# Allegro board mini_trx_layout.brd (continued)
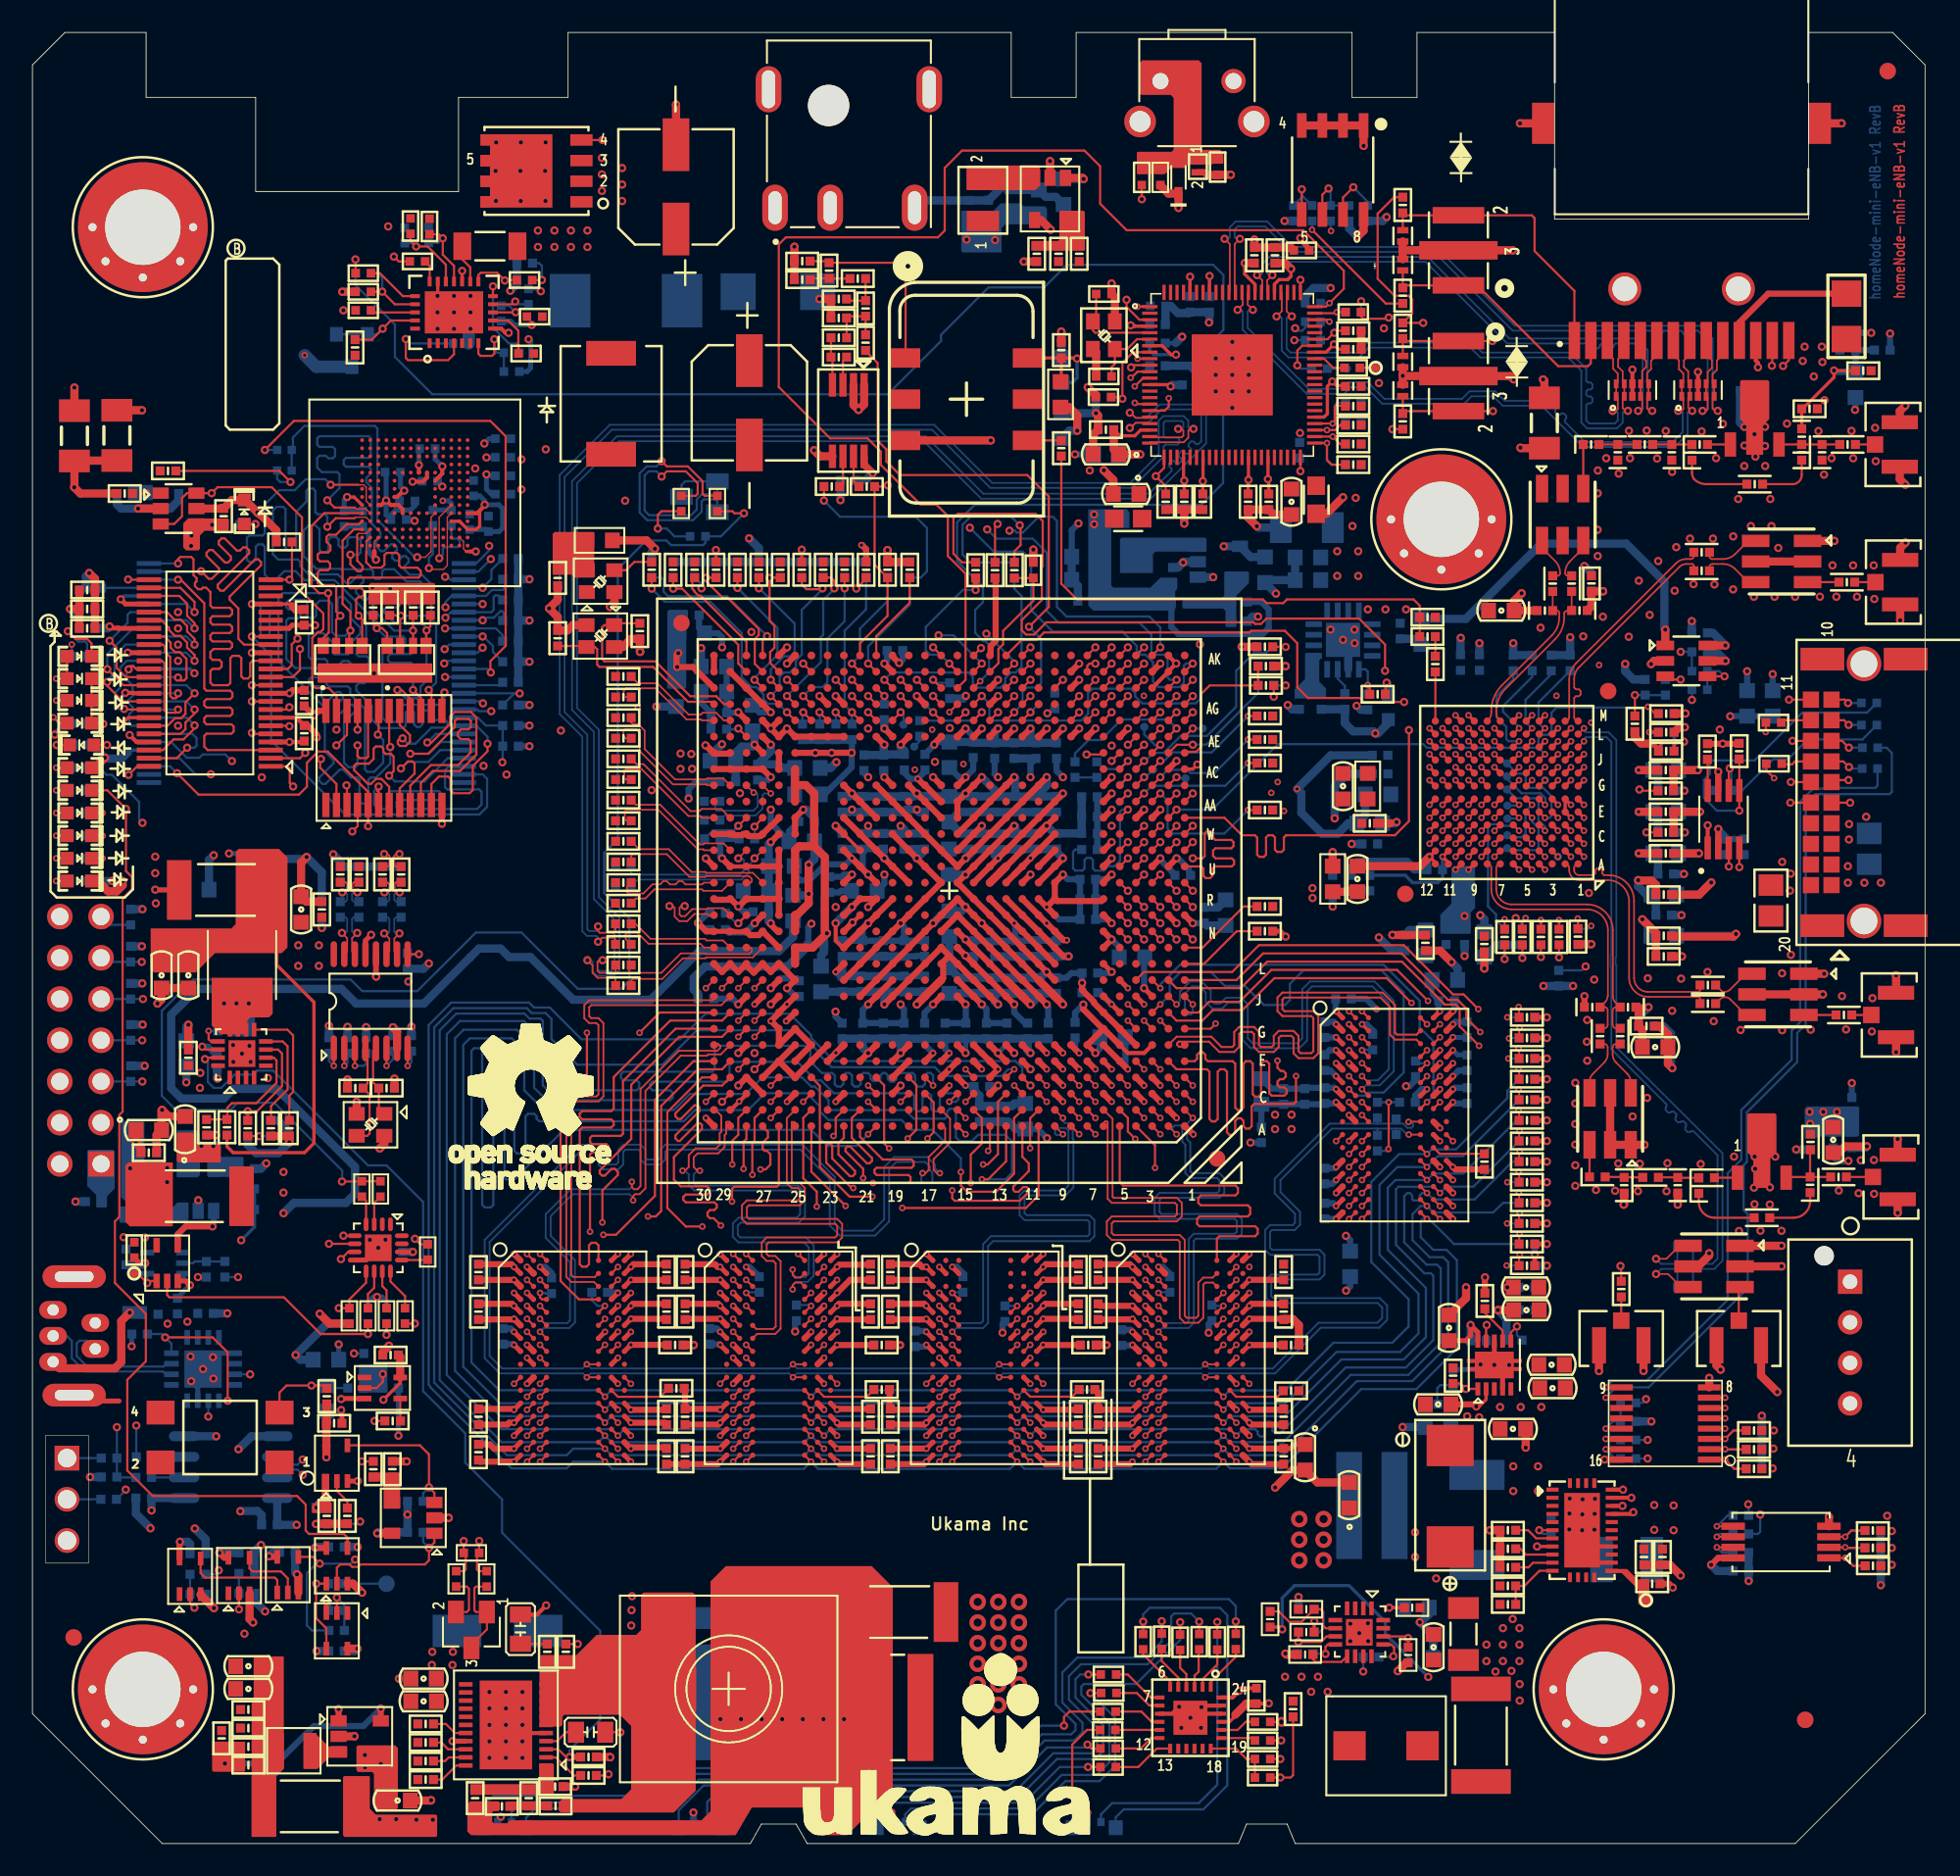
[diagram p0: board, top side]
## Routing (per net, layer and track width the routed paths; a pad name or vN(x,y) marks a point on that pad's centre or on a via; arc(x,y) is an arc through that point) (continued)
R1_LED/P3_LED1/ADDR[1]N: length 84.8
  TOP w0.137: v2(67.91,88.78) 67.99,88.7 U243.16
  L3-SIGNAL w0.127: v2(67.91,88.78) 67.53,88.78 67.15,88.4 66.39,88.4 65.86,88.93 63.93,88.93 62.02,90.84 17.79,90.84 16.97,90.01 15.19,90.01 6.99,81.82 6.4,81.82 2.56,77.98 2.56,77.35 3.04,76.86 3.04,75.78 3.04,75.77 3.04,70 v1(1.37,68.33)
  BOTTOM w0.137: v1(1.37,68.33) 1.37,68.48 1.9,69.02 R587.2
RED1: length 58.6
  TOP w0.137: R580.1 v1(74.14,13.69)
  BOTTOM w0.137: LED11.3 29.51,1.93 30.12,2.54 39.07,2.54 40.82,4.29 59.74,4.29 62.18,6.73 64,6.73 64.26,7 64.26,7.37 63.04,8.59 63.04,14.35 63.75,15.06 73.71,15.06 74.14,14.64 v1(74.14,13.69)
RED2: length 19.2
  TOP w0.137: R581.1 v1(72.99,13.66)
  BOTTOM w0.137: LED12.3 65.83,1.8 66.52,2.49 71.86,2.49 72.99,3.63 v1(72.99,13.66)
RED3: length 43.2
  TOP w0.137: R577.1 v1(71.88,13.68)
  BOTTOM w0.137: v1(71.88,13.68) 71.39,14.17 70.33,14.17 70.15,14 70.15,12.5 68.71,11.05 64.59,11.05 63.86,10.31 63.86,8.86 65.58,7.14 65.58,5.87 65.28,5.56 62.89,5.56 60.55,3.23 42.24,3.23 41.57,2.56 LED13.3
RED4: length 28.9
  TOP w0.137: R578.1 v1(70.71,13.64)
  BOTTOM w0.137: LED14.3 53.76,1.8 54.13,2.16 61.34,2.16 63.41,4.23 65.57,4.23 66.34,5 66.34,7.44 64.62,9.17 64.62,9.67 64.78,9.83 68,9.83 70.71,12.54 v1(70.71,13.64)
RF_1V8: length 27.7
  TOP w0.508: U25.1 v1(100.6,74.8)
  BOTTOM w0.203: C421.1 85.21,75.47
  BOTTOM w0.508: v1(80.23,63.17) 80.23,65.13 81.02,65.92 L28.1 ; C421.1 88.31,75.47 92.95,80.1 98.19,80.1 100.54,77.75 100.54,74.86 v1(100.6,74.8) 100.6,73.84 C112.1
  vias: v1(82.27,76.05) v1(83.36,76.05) v1(84.63,76.05)
RF_3V3: length 15.8
  TOP w0.508: v1(64.37,87.06) 64.37,88 63.86,88.51 L13.2 ; U25.6 v1(104.3,73.83) ; U25.5 v1(104.31,72.88) ; L11.1 v1(80.11,61.09)
  BOTTOM w0.203: 81.82,69.87 v1(81.58,70.11) ; 80.11,60.27 v1(80.11,61.09)
  BOTTOM w0.381: L44.2 110.94,42.31 111.21,42.04 111.85,42.04 v1(111.88,42.07) ; L46.2 111.35,92.03 111.35,92.63 111.81,93.09 v1(113.28,93.09)
  BOTTOM w0.508: R450.1 81.82,69.87 ; C437.1 63.88,87.06 v1(64.37,87.06) ; v1(104.31,72.88) 103.75,73.43 R618.2 ; v1(104.3,73.83) 103.52,74.6 C122.1 ; L33.1 80.11,60.27
RF_5V: length 60.5
  L3-SIGNAL w0.381: v1(107.21,72.06) 108.38,72.06 109.28,71.17 109.28,55.7 v1(108.34,54.76)
  L6-SIGNAL w0.381: v1(114.45,93.05) 114.45,90.37 113.82,89.74 110.11,89.74 109.36,88.99 109.36,72.43 108.99,72.06 v1(107.21,72.06) ; v1(108.34,54.76) 108.89,54.21 108.89,47.19 109.22,46.86 v1(112.09,46.86)
  BOTTOM w0.381: L51.1 v1(107.21,72.06) ; L52.2 v1(114.45,93.05) ; L53.2 v1(112.09,46.86)
RF_CLK_IN: length 32.6
  TOP w0.137: R211.2 63.39,77.63 64.35,76.66 75.8,76.66 76.03,76.44 77.05,76.44 77.28,76.66 85.09,76.66 85.47,76.28 R203.1 R201.1
RF_GPO0: length 1.4
  TOP w0.137: v1(67.49,65.71) U1.AB5
  BOTTOM w0.137: TP33.1 67.01,65.23 v1(67.49,65.71)
RF_GPO1: length 1.3
  TOP w0.137: U1.AB2 v1(70.49,65.71)
  BOTTOM w0.137: TP37.1 70.56,65.64 v1(70.49,65.71)
RF_GPO2: length 1.4
  TOP w0.137: v1(68.49,65.71) U1.AB4
  BOTTOM w0.137: TP35.1 68.57,65.71 v1(68.49,65.71)
RF_GPO3: length 1.4
  TOP w0.137: v1(67.49,64.71) U1.AA5
  BOTTOM w0.137: v1(67.49,64.71) 66.98,64.2 TP32.1
RF_RESET_L: length 2
  TOP w0.137: U25.3 100.79,71.73 v1(101.54,71.73)
  BOTTOM w0.137: R160.1 v1(101.54,71.73)
RUN_LED: length 65.3
  TOP w0.137: LED7.2 v2(4.32,63.5) ; U1.AG15 v2(56.49,69.72)
  L6-SIGNAL w0.127: v2(4.32,63.5) 3.92,63.11 3.92,61.94 4.31,61.56 18.84,61.56 19.81,60.6 20.99,60.6 21.36,60.23 26.36,60.23 33.12,66.99 39.13,66.99 43.4,71.27 44.67,71.27 44.93,71.53 44.93,71.78 46.41,73.27 46.67,73.27 46.93,73.53 46.93,73.78 47.38,74.23 53.59,74.23 55.93,71.89 55.93,71.7 56.49,71.14 v2(56.49,69.72)
RX: length 2.1
  BOTTOM w0.137: J8.1 R175.1
RX1A_ADI: length 1.9
  TOP w0.137: U40.3 109.37,77.73 C174.2
RX1C: length 2.1
  TOP w0.137: J11.1 105.12,34.11 arc(105.14,34.21) U43.3
RX2A_ADI: length 2
  TOP w0.137: C173.2 U39.3
SW_CNTRL: length 32.5
  TOP w0.137: R472.2 v1(92.93,54.63) ; J23.16 v1(108.3,64.14)
  L6-SIGNAL w0.127: v1(92.93,54.63) 92.93,54.36 92.19,53.62 92.19,52.21 92.98,51.42 93.63,51.42 95.07,49.98 100.77,49.98 109.43,58.63 109.43,63.01 v1(108.3,64.14)
SYS_5V_PG: length 4.1
  TOP w0.137: U34.2 15.73,16.34 15.3,16.77 13.56,16.77 13.37,16.95 U33.4
SYS_DC_OK: length 321.7
  TOP w0.137: U34.4 17.28,17.67 v1(17.7,17.25) ; U1.AD4 v1(68.49,67.71)
  L3-SIGNAL w0.083: 68.49,68.72 69.07,69.31 69.71,69.31 69.95,69.55
  L3-SIGNAL w0.127: v1(68.49,67.71) 68.49,68.72 ; v1(6.78,62.89) 7.19,62.89 8.9,61.18 8.9,52.84 11.86,49.88 11.86,38.98 13.87,36.97 13.87,30.28 10.33,26.74 10.33,23.73 12.06,22 12.06,18.48 13.29,17.25 v1(17.7,17.25) ; v1(19.88,17.5) 20.61,16.76 27.23,16.76 27.31,16.69 60.68,16.69 66.66,10.71 66.66,9.23 71.13,4.77 81.59,4.77 86.57,9.75 86.77,9.94 86.77,11.01 92.3,16.54 94.12,16.54 95.36,17.78 107.16,17.78 108.58,19.2 108.58,27.46 108.68,27.56 108.87,27.75 108.87,37.71 109.28,38.12 109.28,39.44 108.58,40.15 108.58,42.06 109.11,42.59 109.11,42.95 108.69,43.37 108.69,53.39 110.08,54.78 110.08,71.99 109.07,72.99 105.42,72.99 104.8,72.37 104.06,72.37 103.91,72.22 95.22,72.22 94.69,72.75 80.39,72.75 78.56,74.57 78.56,87.95 82.48,91.87 82.48,94.88 82.48,95.06 81.1,96.44 79.31,96.44 78.44,95.58 78.19,95.58 77.14,94.53 77.14,92.5 76.82,92.18 76.82,88.52 72.93,84.62 72.93,78.48 73.19,78.22 73.19,74.04 72.49,73.33 70.45,73.33 69.95,72.83 69.95,69.55
  BOTTOM w0.137: v1(6.78,62.89) 6.57,62.89 6.57,64.18 4.9,65.86 4.56,65.86 4.12,66.3 R97.2 ; v1(19.88,17.5) 19.62,17.25 v1(17.7,17.25) 17.49,17.25 16.91,16.67 16.91,13.44 17.22,13.13 R380.1
SYS_RST_L: length 399.3
  TOP w0.137: U1.AH19 v1(52.49,71.71) ; U16.4 19.41,18.86 19.19,19.08 17.04,19.08 16.83,19.28 16.83,20.89 16.3,21.42 7.41,21.42 5.84,22.99 5.84,28.57 6.99,29.72 6.99,32.64 5.08,34.54 5.08,38.34 5.35,38.61 5.35,44.9 5.56,45.1 5.56,58.23 6.13,58.81 6.13,59.55 5.76,59.92 v1(5.76,63.76) 4.62,64.9 LED4.2 ; v1(14.32,85.87) 16.1,87.66 28.21,87.66 29.15,86.72 29.15,73.8 28.21,72.86 28.21,72.19 v1(28.24,72.16) ; R583.1 v1(76.88,5.21)
  L3-SIGNAL w0.127: v1(102.24,70.47) 102.4,70.31 104.64,70.31 105.76,69.19 105.76,44.3 105.52,44.06 105.29,43.82 105.29,38.74 105.69,38.34 105.69,37.44 106.32,36.8 106.32,36.24 106.33,36.24 106.33,34.98 106.57,34.74 106.57,29.86 105.41,28.71 104.96,28.71 103.89,27.64 103.89,27.42 102.43,25.97 102.43,22.84 102.56,22.71 105.86,22.71 107.23,21.35 107.23,20.42 106.63,19.83 106.26,19.83 106,20.09 103.69,20.09 101.72,18.11 95.23,18.11 93.98,16.87 92.16,16.87 86.44,11.14 86.44,10.87 86.44,10.87 86.44,10.08 81.57,5.21 v1(76.88,5.21) 71.3,5.21 67.08,9.43 67.08,10.76 60.81,17.02 27.44,17.02 20.35,24.12 20.35,30.63 17.11,33.86 17.11,46.04 14.38,48.77 14.38,61.3 13.26,62.42 9.04,62.42 7.7,63.76 v1(5.76,63.76) ; v1(28.24,72.16) 28.21,72.14 28.21,71.7 29.63,70.29 30.14,70.29 30.68,70.83 36.98,70.83 38.66,72.5 38.66,75.07 37.21,76.52 37.21,80.93 37.84,81.56 39.87,81.56 40.29,81.13 47.59,81.13 52.93,75.79 52.93,72.15 v1(52.49,71.71)
  L6-SIGNAL w0.127: v1(28.24,72.16) 25.73,72.16 25.6,72.3 25.03,72.3 23.87,71.13 23.87,65.25 20.86,62.25 20.49,62.25 18.98,63.76 v1(5.76,63.76)
  BOTTOM w0.137: v1(28.24,72.16) 28.02,72.38 U64.14 ; R606.2 60.5,77.32 60.94,76.88 60.94,72.52 60.57,72.16 60.29,72.16 59.94,71.81 59.94,71.52 59.64,71.23 58.22,71.23 57.94,71.52 57.94,71.9 57.67,72.16 52.94,72.16 v1(52.49,71.71) ; v1(14.32,85.87) R2N1.1 ; R4.2 v1(102.24,70.47)
TX: length 2.1
  BOTTOM w0.137: J8.2 R183.1
TX1A: length 2.7
  TOP w0.137: C442.2 U66.3
TX2A: length 2
  TOP w0.137: C443.2 U67.3
UNNAMED_101_NPN_I2_B: length 17.1
  TOP w0.132: R451.2 40.86,83.05 40.98,83.17 40.98,83.82 40.25,84.55 39.08,84.55 v1(38.76,84.24)
  BOTTOM w0.132: Q32.3 39.99,83.72 40.21,83.94 Q32.1 42.2,83.27 42.06,83.14 41.24,83.14 40.93,82.82 40.93,82.2 40.58,81.85 38,81.85 37.71,82.14 37.71,84.31 37.96,84.55 38.44,84.55 v1(38.76,84.24)
UNNAMED_101_NPN_I2_E: length 15.5
  TOP w0.132: v1(38.76,85.18) 39.08,84.86 40.38,84.86 41.29,83.95 41.29,83.17 41.41,83.05 R467.2
  BOTTOM w0.132: Q32.2 42.2,82.7 42.06,82.83 41.36,82.83 41.23,82.7 41.23,82.08 40.7,81.55 37.87,81.55 37.41,82.01 37.41,82.27 37.41,84.43 37.83,84.86 38.44,84.86 v1(38.76,85.18)
UNNAMED_101_NPN_I19_B: length 5.6
  TOP w0.132: R422.2 27.33,15.84 27.23,15.73 27.23,14.37 27.33,14.27 Q31.1 28,13.2 27.04,12.25 Q31.3
UNNAMED_101_NPN_I19_E: length 3
  TOP w0.132: Q31.2 26.76,14.27 26.89,14.4 26.89,15.7 26.76,15.84 R423.2
USB_5V: length 2.8
  BOTTOM w0.508: v1(16.27,19.64) C129.2 U31.8
  vias: v1(9.54,32.16)
USB_RXD: length 13.1
  L3-SIGNAL w0.117: v1(10.83,26.31) 11,26.31 11.54,26.85 12.81,26.85 14.67,25 17.22,25 17.36,24.86 17.36,23.48 17.22,23.35 16.77,23.35 16.65,23.46 v1(16.65,23.66)
  BOTTOM w0.132: U26.2 v1(10.83,26.31) ; v1(16.65,23.66) 16.33,23.35 15.21,23.35 15.08,23.48 U31.6
USB_TXD: length 13.6
  L3-SIGNAL w0.117: v1(16.65,22.72) 16.65,22.92 16.77,23.04 17.35,23.04 17.67,23.36 17.67,24.99 17.35,25.3 14.79,25.3 13.04,27.05 13.04,28.54 v1(13.41,28.91)
  BOTTOM w0.132: v1(16.65,22.72) 16.33,23.04 15.21,23.04 15.08,22.91 U31.7 ; U26.15 v1(13.41,28.91)
USB_XI: length 11.7
  TOP w0.137: U1.AG30 41.84,70.36 40.39,70.36 38.24,72.51 34.93,72.51 34.79,72.64 34.79,73.59 34.65,73.73 Y2.3 34.07,73.79 C62.1
USB_XO: length 13.4
  TOP w0.137: C79.1 35.94,75.19 Y2.1 35.23,75.08 35.1,74.94 35.1,73 35.25,72.85 38.38,72.85 40.53,70.7 42.13,70.7 42.61,70.21 U1.AG29
WP_CAL: length 49.1
  TOP w0.137: J23.11 v1(108.22,70.49) ; U20.7 v2(104.28,27.47)
  L3-SIGNAL w0.127: v1(108.22,70.49) 106.91,70.49 106.17,69.75 106.17,44.24 105.62,43.69 105.62,38.87 106.02,38.47 106.02,37.58 106.65,36.94 106.65,36.38 106.66,36.37 106.66,35.11 106.96,34.81 106.96,29.8 104.64,27.47 v2(104.28,27.47)
XTAL_IN: length 5.9
  TOP w0.137: C650.1 65.53,93.99 Y4.3 65.33,93.24 65.47,93.1 U243.5
XTAL_OUT: length 4.2
  TOP w0.137: C652.1 66.48,90.98 66.68,91.18 Y4.1 67.45,92.09 68.05,92.7 U243.6
N377045: length 17.3
  TOP w0.107: C427.2 96.83,50.23 arc(96.98,50.3) 97.05,50.45 97.05,51.36 arc(97,51.49) 96.87,51.54 L37.1 96.9,51.86 arc(97.01,52.02) 97.05,52.22 97.06,52.24 97.06,56.28 arc(96.69,57.19) 95.78,57.56 91.14,57.56 arc(90.25,57.93) 89.88,58.82 89.88,60.12 arc(89.8,60.29) U3.A8
N377347: length 17.3
  TOP w0.107: C425.2 97.59,50.23 arc(97.42,50.3) 97.35,50.47 97.35,51.32 arc(97.42,51.48) 97.57,51.54 L35.1 97.51,51.85 arc(97.41,52) 97.38,52.17 97.38,52.2 97.37,52.21 97.37,56.28 arc(96.9,57.4) 95.78,57.87 91.14,57.87 arc(90.46,58.15) 90.18,58.82 90.18,60.12 arc(90.25,60.29) U3.A7
N377425: length 14
  TOP w0.107: C146.2 102.36,79.32 arc(102.31,79.2) 102.19,79.15 101.89,79.15 arc(101.55,79.09) 101.26,78.89 95.09,72.73 arc(94.79,72.26) 94.68,71.72 94.68,69.41 arc(94.6,69.24) U3.M2
N377445: length 10
  TOP w0.107: C426.2 L36.1 93.93,75.98 arc(94.02,75.94) 94.06,75.84 94.06,75.56 arc(93.94,74.95) 93.6,74.44 90.53,71.37 arc(90.05,70.64) 89.88,69.79 89.88,69.68 arc(89.83,69.43) 89.69,69.23 U3.M8
N377469: length 10
  TOP w0.107: C422.2 L34.1 94.61,75.98 arc(94.52,75.96) 94.44,75.91 94.37,75.84 94.37,75.56 arc(94.23,74.84) 93.81,74.22 90.75,71.16 arc(90.33,70.53) 90.18,69.79 90.18,69.68 arc(90.23,69.43) 90.37,69.23 U3.M7
N377587: length 3
  TOP w0.137: U3.M12 C140.2
N377631: length 14.1
  TOP w0.107: C149.2 102.36,78.74 arc(102.32,78.82) 102.25,78.85 101.9,78.85 arc(101.67,78.8) 101.47,78.67 95.28,72.48 arc(95.06,72.15) 94.98,71.76 94.98,71.23 95.09,71.13 95.27,71.13 95.38,71.02 95.38,70.81 95.27,70.7 95.09,70.7 94.98,70.59 94.98,69.41 arc(95.05,69.24) U3.M1
N377739: length 10.8
  TOP w0.137: U3.C5 v2(92.39,61.61)
  L6-SIGNAL w0.127: v2(92.39,61.61) 92.78,62 95.75,62 96.48,61.28 96.48,57.04 96.07,56.55 v2(96.03,56.55)
  BOTTOM w0.137: v2(96.03,56.55) 95.86,56.37 R445.1
N377759: length 9
  TOP w0.137: R444.1 95.22,56.95 95.2,56.97 v2(95.2,57) ; U3.C6 v2(91.59,61.61)
  L6-SIGNAL w0.127: v2(91.59,61.61) 91.99,61.2 94.95,61.2 95.19,60.96 95.19,57.01 v2(95.2,57)
N377819: length 5.1
  TOP w0.137: U3.L4 v2(93.19,68.72)
  BOTTOM w0.137: R235.2 92.79,70.32 92.79,69.06 93.12,68.72 v2(93.19,68.72)
N377823: length 40.8
  TOP w0.107: U3.K1 v2(95.59,67.92)
  BOTTOM w0.107: v2(95.59,67.92) 95.59,68.06 95.69,68.17 96.98,68.17 97.28,67.87 97.28,54.76 97.23,54.72 97.23,54.05 97.28,54.01 97.28,48.95 100.67,45.55 100.67,45.4 100.62,45.35 100.62,45.2 100.77,45.05 100.92,45.05 100.97,45.1 101.12,45.1 101.27,44.95 101.27,44.8 101.22,44.75 101.22,44.6 101.37,44.44 101.52,44.44 101.58,44.5 101.73,44.5 101.88,44.35 101.88,44.2 101.83,44.14 101.83,43.99 101.98,43.84 102.13,43.84 102.18,43.89 102.33,43.89 103.81,42.41 103.81,36.04 103.49,35.72 102.41,35.72 102.3,35.82 C162.2
N377835: length 40.8
  TOP w0.107: U3.L1 v2(95.59,68.72)
  BOTTOM w0.107: v2(95.59,68.72) 95.59,68.58 95.69,68.48 97.1,68.48 97.58,68 97.58,54.64 97.54,54.6 97.54,54.17 97.58,54.13 97.58,49.08 104.12,42.54 104.12,35.91 103.62,35.41 102.41,35.41 102.3,35.3 C161.2
N378105: length 41.9
  TOP w0.137: U3.J6 v2(91.59,67.12) ; R439.2 97.89,35.54 v1(97.83,35.59)
  L3-SIGNAL w0.127: v1(97.83,35.59) 97.89,35.64 97.89,35.69 100.15,37.95 100.15,51.13 100.83,51.82 100.83,53.56 100.65,53.75 100.65,64.52 99.42,65.74 97.71,65.74 96.72,66.73 92.22,66.73 91.83,67.12 v2(91.59,67.12)
N378375: length 1.2
  TOP w0.137: U3.E6 v2(91.59,63.21)
  BOTTOM w0.137: v2(91.59,63.21) 91.54,63.16 TP44.1
N378383: length 4.6
  TOP w0.137: U3.E5 v2(92.39,63.21)
  BOTTOM w0.137: TP42.1 90.98,61.21 92.65,61.21 92.79,61.35 92.79,62.57 92.39,62.97 v2(92.39,63.21)
N378391: length 6.1
  TOP w0.137: U3.E4 v2(93.19,63.21)
  BOTTOM w0.137: TP38.1 91.19,66.21 91.19,66.11 91.38,65.92 91.86,65.92 92,65.79 92,65.3 92.25,65.05 93.08,65.05 93.59,64.54 93.59,63.32 93.47,63.21 v2(93.19,63.21)
N378587: length 4.8
  TOP w0.137: U3.D4 v2(93.19,62.41)
  BOTTOM w0.137: TP40.1 91.39,64.41 92.65,64.41 92.79,64.27 92.79,63.06 93.19,62.65 v2(93.19,62.41)
N378731: length 7.7
  TOP w0.137: U3.D5 v2(92.39,62.41)
  L6-SIGNAL w0.127: v1(91.38,57.03) 91.38,59.66 91.19,59.85 91.19,61.79 91.42,62.02 91.99,62.02 v2(92.39,62.41)
  BOTTOM w0.137: v1(91.38,57.03) 91.79,56.62 R465.1
N378743: length 9.4
  TOP w0.137: U3.D6 v2(91.59,62.41)
  BOTTOM w0.137: v2(91.59,62.41) 91.29,62.71 90.34,62.71 90.24,62.81 89.81,62.81 89.67,62.67 89.67,57.75 90.17,57.25 90.17,56.9 90.7,56.37 R466.1
N379365: length 5.2
  TOP w0.137: U3.B5 v2(92.39,60.81) ; R472.1 v2(92.93,56.9)
  L6-SIGNAL w0.127: v2(92.93,56.9) 92.78,57.06 92.78,60.42 v2(92.39,60.81)
N379519: length 4.9
  TOP w0.137: U3.L5 v2(92.39,68.72)
  BOTTOM w0.137: R234.1 93.57,72.05 91.99,70.47 91.99,69.12 v2(92.39,68.72)
N379621: length 1.2
  TOP w0.137: C140.1 R201.2
N436789: length 7.2
  TOP w0.203: U3.A11 87.23,60.45 v2(86.87,60.81) U3.B11
  BOTTOM w0.203: v2(86.87,60.81) C399.2 86.87,59.5 86.58,59.21 85.03,59.21 84.58,59.67 R438.1
N436822: length 1.1
  BOTTOM w0.137: R438.2 82.39,58.71 C395.1
N440605: length 5.3
  TOP w0.137: R470.1 v2(94.05,56.9) ; U3.B4 v2(93.19,60.81)
  L6-SIGNAL w0.127: v2(93.19,60.81) 93.58,60.42 93.58,57.37 v2(94.05,56.9)
N440917: length 5.2
  TOP w0.137: v2(91.99,57.03) 91.79,56.83 R471.1 ; U3.B6 v2(91.59,60.81)
  L6-SIGNAL w0.127: v2(91.99,57.03) 91.98,57.04 91.98,60.42 v2(91.59,60.81)
N441229: length 5.2
  TOP w0.137: U3.B7 v2(90.07,60.81) ; R473.1 v2(90.7,56.95)
  L6-SIGNAL w0.127: v2(90.07,60.81) 90.7,60.18 v2(90.7,56.95)
N450143: length 1.2
  TOP w0.137: U3.F6 v2(91.59,64.01)
  BOTTOM w0.137: v2(91.59,64.01) 91.54,63.96 TP43.1
N450443: length 3.7
  TOP w0.137: U3.F5 v2(92.39,64.01)
  BOTTOM w0.137: TP41.1 90.98,62.01 91.75,62.01 91.99,62.24 91.99,63.61 v2(92.39,64.01)
N450447: length 3.9
  TOP w0.137: U3.F4 v2(93.19,64.01)
  BOTTOM w0.137: v2(93.19,64.01) 93.21,64.03 93.21,64.42 92.91,64.72 91.74,64.72 90.85,65.61 TP39.1
N470883: length 2.2
  TOP w0.203: v1(101.75,67.9) 101.34,67.9 101.13,67.69 C172.1
  BOTTOM w0.203: v1(101.75,67.9) 101.34,67.9 101.14,68.1 R237.2
N470887: length 10.3
  TOP w0.203: U3.G2 v2(94.79,65.52) ; U3.G3 v2(93.99,65.52) ; C171.1 v2(99.61,68.48)
  L6-SIGNAL w0.381: v2(93.99,65.52) v2(94.79,65.52) 94.79,65.36 95.17,64.98 96.72,64.98 98.34,66.6 98.34,67.92 98.85,68.43 99.56,68.43 v2(99.61,68.48)
  BOTTOM w0.203: C171.1 v2(99.61,68.48)
N497620: length 3.6
  TOP w0.107: U40.4 106.04,77.73 arc(105.73,77.79) 105.47,77.97 104.89,78.54 arc(104.56,78.77) 104.16,78.85 103.5,78.85 arc(103.37,78.79) 103.32,78.67 C149.1
N497678: length 3.6
  TOP w0.107: U40.6 106.09,80.27 arc(105.74,80.2) 105.44,80 104.9,79.46 arc(104.56,79.23) 104.16,79.15 103.49,79.15 arc(103.37,79.2) 103.32,79.32 C146.1
N506018: length 4.8
  TOP w0.107: v1(100.03,35.09) 100.77,35.09 101.57,34.29 U43.4
  BOTTOM w0.107: C161.1 101.34,35.3 101.24,35.41 100.34,35.41 v1(100.03,35.09)
N506026: length 4.8
  TOP w0.107: v1(100.03,36.03) 100.67,36.03 101.47,36.83 U43.6
  BOTTOM w0.107: v1(100.03,36.03) 100.34,35.72 101.24,35.72 101.34,35.82 C162.1
N538044: length 2.9
  TOP w0.107: C422.1 94.59,78.12 arc(94.47,78.17) 94.43,78.29 arc(94.5,78.68) 94.73,79.02 95.22,79.51 arc(95.46,79.87) U66.4
N538079: length 2.9
  TOP w0.107: C426.1 93.96,78.12 arc(94.07,78.17) 94.12,78.29 arc(94.04,78.69) 93.81,79.03 93.27,79.57 arc(93.07,79.87) 93,80.22 U66.6
N541425: length 3.8
  TOP w0.107: C425.1 97.55,49.27 arc(97.41,49.21) 97.35,49.07 97.35,48.64 arc(97.41,48.36) 97.57,48.12 98.26,47.43 arc(98.41,47.2) 98.47,46.92 U67.6
N541429: length 3.8
  TOP w0.107: C427.1 96.85,49.27 arc(96.99,49.21) 97.05,49.07 97.05,48.64 arc(96.99,48.36) 96.83,48.12 96.13,47.42 arc(95.98,47.2) 95.93,46.94 U67.4
N635710: length 0.5
  TOP w0.137: U3.B3 v2(93.99,60.81)
N685064: length 8.7
  TOP w0.137: U3.G5 v2(92.39,65.52) ; R469.2 99.08,64.87 v1(99,64.95)
  L3-SIGNAL w0.127: v1(99,64.95) 98.93,65.02 92.66,65.02 92.39,65.29 v2(92.39,65.52)
N685410: length 0.5
  TOP w0.137: U3.G4 v2(93.19,65.52)
N16950256: length 2.5
  TOP w0.137: U12.3 36.57,78.46 37.08,78.97 R124.1
N16950409: length 1.4
  TOP w0.137: U1.AH17 v1(54.49,71.71)
  BOTTOM w0.127: TP28.1 54.96,71.23 v1(54.49,71.71)
N16950424: length 1.4
  TOP w0.137: U1.AG18 v1(53.49,70.71)
  BOTTOM w0.127: TP26.1 53.49,70.7 v1(53.49,70.71)
N16950483: length 1.4
  TOP w0.137: U1.AH18 v1(53.49,71.71)
  BOTTOM w0.127: v1(53.49,71.71) 53.54,71.66 TP27.1
N16950542: length 1.4
  TOP w0.137: U1.AF16 v1(55.49,69.71)
  BOTTOM w0.137: TP29.1 55.04,70.16 v1(55.49,69.71)
N16958600: length 10.4
  TOP w0.137: U1.AK27 44.99,74.15 45.24,74.4 v1(45.26,74.4)
  BOTTOM w0.137: v1(45.26,74.4) 42.8,76.86 39.16,76.86 38.88,77.14 38.88,77.87 38.74,78.01 R330.1
N17011792: length 26.2
  TOP w0.508: U1.AC25 46.99,65.22 ; 46.99,65.22 47.65,65.22 48.16,64.71 48.16,61.45 ; 46.99,65.22 U1.AB25 U1.AA25 ; 48.16,61.45 47.23,61.45 U1.V25 U1.U25 U1.T25 U1.R25 ; 48.16,61.45 48.82,60.79 48.82,57.54 48.82,56.21 v1(48.95,56.09) 48.07,55.21 U1.M25 U1.L25
  BOTTOM w0.381: v1(48.95,56.09) 48.74,56.29 48.74,58.23 C278.1 49.71,58.61 49.81,58.71 C293.1
  BOTTOM w0.508: L26.1 48.59,54.74 48.76,54.91 C274.1 48.76,55.91 v1(48.95,56.09)
N17013104: length 11.2
  TOP w0.381: v1(47.49,63.71) U1.Y25 U1.W25
  TOP w0.508: U1.N25 46.99,56.63 U1.P25 47.1,57.21 47.82,57.94 v1(47.82,58.52) v1(47.82,60.31)
  BOTTOM w0.508: v1(47.49,63.71) 47.67,63.71 48.18,63.2 C271.1 C270.1 48.18,60.67 v1(47.82,60.31) ; v1(47.82,58.52) 47.73,58.43 L24.1
N17041994: length 6.6
  TOP w0.381: v1(45.49,61.71) U1.W26 ; v1(45.49,56.71) 45.49,56.63 45.9,56.21 U1.N26
  BOTTOM w0.508: v1(45.49,61.71) 45.36,61.58 L23.1 C262.1 C264.1 45.36,56.84 v1(45.49,56.71)
N17127103: length 1.8
  TOP w0.152: U1.P28 v1(43.49,56.71)
  BOTTOM w0.137: R343.2 42.74,57.34 43.37,56.71 v1(43.49,56.71)
N17127140: length 2.8
  TOP w0.381: U1.P27 44.5,56.72 v1(44.5,56.71)
  BOTTOM w0.381: R344.2 42.88,56.14 43.92,56.14 v1(44.5,56.71)
N17127277: length 9.2
  TOP w0.102: 41.45,54.55 41.51,54.6 44.38,54.6 U1.M27
  TOP w0.107: 41.45,54.55 40.07,54.55 38.8,53.28 37,53.28 36.89,53.17 C64.2
N17127320: length 9.2
  TOP w0.102: U1.M28 44.25,55.21 44.32,55.14 44.32,54.97 44.15,54.81 41.5,54.81 41.45,54.85
  TOP w0.107: 41.45,54.85 39.94,54.85 38.74,53.65 36.85,53.65 36.74,53.76 36.74,53.99 C65.2
N17127662: length 6.7
  TOP w0.107: C67.1 37.15,56.68 37.48,56.35 38.08,55.75 41.43,55.75 41.53,55.65 42.55,55.65 U1.M29
N17127699: length 6.6
  TOP w0.107: C66.1 36.55,55.74 36.55,56.03 36.66,56.13 37.26,56.13 37.95,55.44 41.15,55.44 41.38,55.21 U1.M30
N17247286: length 2.4
  TOP w0.137: R233.1 89.48,32.7 90.57,31.61 U42.7
N17247308: length 2
  TOP w0.137: v1(91.46,31.87) 91.08,31.49 U42.6
  BOTTOM w0.137: C165.1 91.46,31.33 v1(91.46,31.87)
N17255903: length 4.6
  TOP w0.137: C456.1 87.98,28.35 v1(88.31,28.02) U42.1
  BOTTOM w0.137: v1(88.31,28.02) 88.08,28.25 R475.1 86.73,28.25 86.55,28.06 86.55,27.12 R474.2
N17264878: length 5.3
  TOP w0.137: U1.L1 72.18,54.21 74.19,56.22 R189.2
N17264907: length 5.5
  TOP w0.137: U1.M1 72.09,55.21 74.62,57.74 R190.2
N17308586: length 1.4
  TOP w0.137: U1.AE28 v1(43.49,68.71)
  BOTTOM w0.137: v1(43.49,68.71) 43.44,68.67 R345.2
N17347925: length 2.5
  BOTTOM w0.137: R431.1 28.79,71.38 U64.16
N17347927: length 2.9
  BOTTOM w0.137: R390.1 4.27,77.38 U64.53
N17352153: length 22.9
  TOP w0.137: R162.2 15.99,78.03 v1(15.83,77.88) U22.24 ; v1(16.06,65.14) 15.85,65.34 15.85,66.24 15.72,66.38 14.68,66.38 U22.1
  L3-SIGNAL w0.127: v1(16.06,65.14) 16.06,65.47 14.47,67.06 12.86,67.06 12.05,67.87 12.05,74.09 v1(15.83,77.88)
N17383137: length 1.4
  TOP w0.137: U1.AF11 v1(61.49,69.71)
  BOTTOM w0.137: TP31.1 v1(61.49,69.71)
N17412446: length 14.4
  TOP w0.137: R199.2 77.2,73.74 v1(77.21,73.74) ; v1(68.49,66.71) U1.AC4
  BOTTOM w0.137: v1(77.21,73.74) 76.37,73.74 75.99,73.36 75.25,73.36 74.16,72.27 74.16,70.06 72.36,68.25 70.75,68.25 69.7,67.21 69.06,67.21 68.55,66.71 v1(68.49,66.71)
N17420989: length 6.3
  TOP w0.137: R127.2 40.65,77.87 40.65,77.33 40.77,77.21 40.77,77.16 41.03,76.9 41.15,76.9 43.99,74.06 U1.AK28
N17613979: length 1.6
  TOP w0.137: U1.AF19 v1(53.49,69.71)
  BOTTOM w0.137: TP25.1 53.67,68.96 53.67,69.57 53.53,69.71 v1(53.49,69.71)
N19816570: length 3
  TOP w0.137: v1(67.49,66.71) U1.AC5
  BOTTOM w0.137: R416.1 66.02,66.21 66.99,66.21 v1(67.49,66.71)
N22620877: length 3.3
  TOP w0.137: U35.L8 86.7,42.5 89.45,42.5 R214.2
N22623748: length 3.9
  TOP w0.137: U11.L8 36.07,27.53 38.67,27.53 R126.2
N22624855: length 3.8
  TOP w0.137: U23.L8 61.46,27.54 64.05,27.54 R163.2
N22625970: length 3.6
  TOP w0.137: R200.2 76.69,27.53 74.16,27.53 U30.L8
N22627093: length 3.8
  TOP w0.137: U15.L8 48.77,27.53 51.39,27.53 R151.2
N22643259: length 1.2
  TOP w0.137: U35.D3 v2(81.91,48.88)
  BOTTOM w0.152: v2(81.91,48.88) 81.93,48.91 R440.2
N22645297: length 1.3
  TOP w0.137: U35.E7 v2(85.91,48.09)
  BOTTOM w0.137: R443.2 85.35,48.09 v2(85.91,48.09)
N22648611: length 1.3
  TOP w0.137: U30.D3 v2(69.37,33.93)
  BOTTOM w0.137: R418.2 69.41,33.97 v2(69.37,33.93)
N22651614: length 1.3
  TOP w0.137: U30.E7 v2(73.37,33.13)
  BOTTOM w0.137: R421.2 72.72,33.13 v2(73.37,33.13)
N22654933: length 1.4
  TOP w0.137: U15.D3 v2(43.97,33.93)
  BOTTOM w0.137: R356.2 44.01,33.97 v2(43.97,33.93)
N22658266: length 1.5
  TOP w0.137: U15.E7 v2(47.97,33.13)
  BOTTOM w0.137: R366.2 47.92,33.18 v2(47.97,33.13)
N22662338: length 1.4
  TOP w0.137: v2(31.27,33.93) 31.27,33.65 31.39,33.53 U11.D3
  BOTTOM w0.137: v2(31.27,33.93) 31.56,33.93 31.6,33.89 R317.2
N22664619: length 2
  TOP w0.137: U11.E7 v2(35.27,33.13)
  BOTTOM w0.137: R324.2 34.47,33.48 34.82,33.13 v2(35.27,33.13)
N22669063: length 1.3
  TOP w0.137: U23.E7 v2(60.67,33.13)
  BOTTOM w0.137: R408.2 v2(60.67,33.13)
N22670170: length 1.2
  TOP w0.137: U23.D3 v2(56.67,33.93)
  BOTTOM w0.137: R405.2 56.71,33.97 v2(56.67,33.93)
N22844512: length 5
  TOP w0.137: v2(83.54,42.8) 83.54,42.79 83.56,42.8 v2(83.56,45.68)
  BOTTOM w0.137: v2(83.54,42.8) 83.54,42.79 83.44,42.68 R442.2 ; R441.2 v2(83.56,45.68) C423.1
N26040487: length 2
  BOTTOM w0.137: R318.2 4.73,56.61 J5.13
N26040723: length 1.2
  TOP w0.137: U1.AH20 v1(52.49,70.71)
  BOTTOM w0.137: v1(52.49,70.71) 52.47,70.7 R391.2
N27121622: length 1.5
  TOP w0.137: LED9.1 v2(1.46,60.71)
  BOTTOM w0.137: v2(1.46,60.71) R111.1
N27122589: length 1.5
  TOP w0.137: LED7.1 v2(1.46,63.5)
  BOTTOM w0.137: v2(1.46,63.5) R107.1
N27122595: length 1.5
  TOP w0.137: LED8.1 v2(1.46,62.11)
  BOTTOM w0.137: v2(1.46,62.11) R109.1
N27144602: length 2.6
  TOP w0.137: C30.2 78.89,11.36 79.05,11.19 80.65,11.19 U4.9
N27144604: length 0.9
  BOTTOM w0.137: C202.2 v1(81.99,10.6)
N27144606: length 3.7
  TOP w0.137: U4.7 79.73,12.77 79.38,12.42 v1(77.99,12.42) 78,12.43 C27.1
  BOTTOM w0.137: C27.1 78,12.43 v1(77.99,12.42)
N27144621: length 2.3
  BOTTOM w0.137: R286.2 79.3,13.03 79.54,13.27 79.54,14.24 79.34,14.44 C201.1
N27144623: length 14.8
  TOP w0.203: R61.2 76.85,13.34 v1(76.99,13.2)
  BOTTOM w0.203: v1(76.99,13.2) 76.99,15.13 77.76,15.9 81.11,15.9 83.36,13.65 83.36,12.9 v1(85.99,10.26)
N27144635: length 2.2
  TOP w0.137: v1(83.84,11.54) 83.89,11.59 83.89,12.08 83.7,12.27 U4.13
  BOTTOM w0.137: C202.1 83.8,11.49 v1(83.84,11.54)
N27144645: length 5.6